# Altium PCB smart-ring-main.PcbDoc (part 5 of 6)
Units mm, origin at the board's own origin, x right, y up, seen from the top; angles counter-clockwise.
Board outline 62.7 x 25.3 mm, 6 copper layers (S1 Copper top, S2 Flex copper top, S3 Flex copper inner 1, S4 Flex copper inner 2, S5 Flex copper bottom, S6 Copper bottom), stack 0.511 mm thick; 75 components, 47 nets, 265 pads, 262 vias.
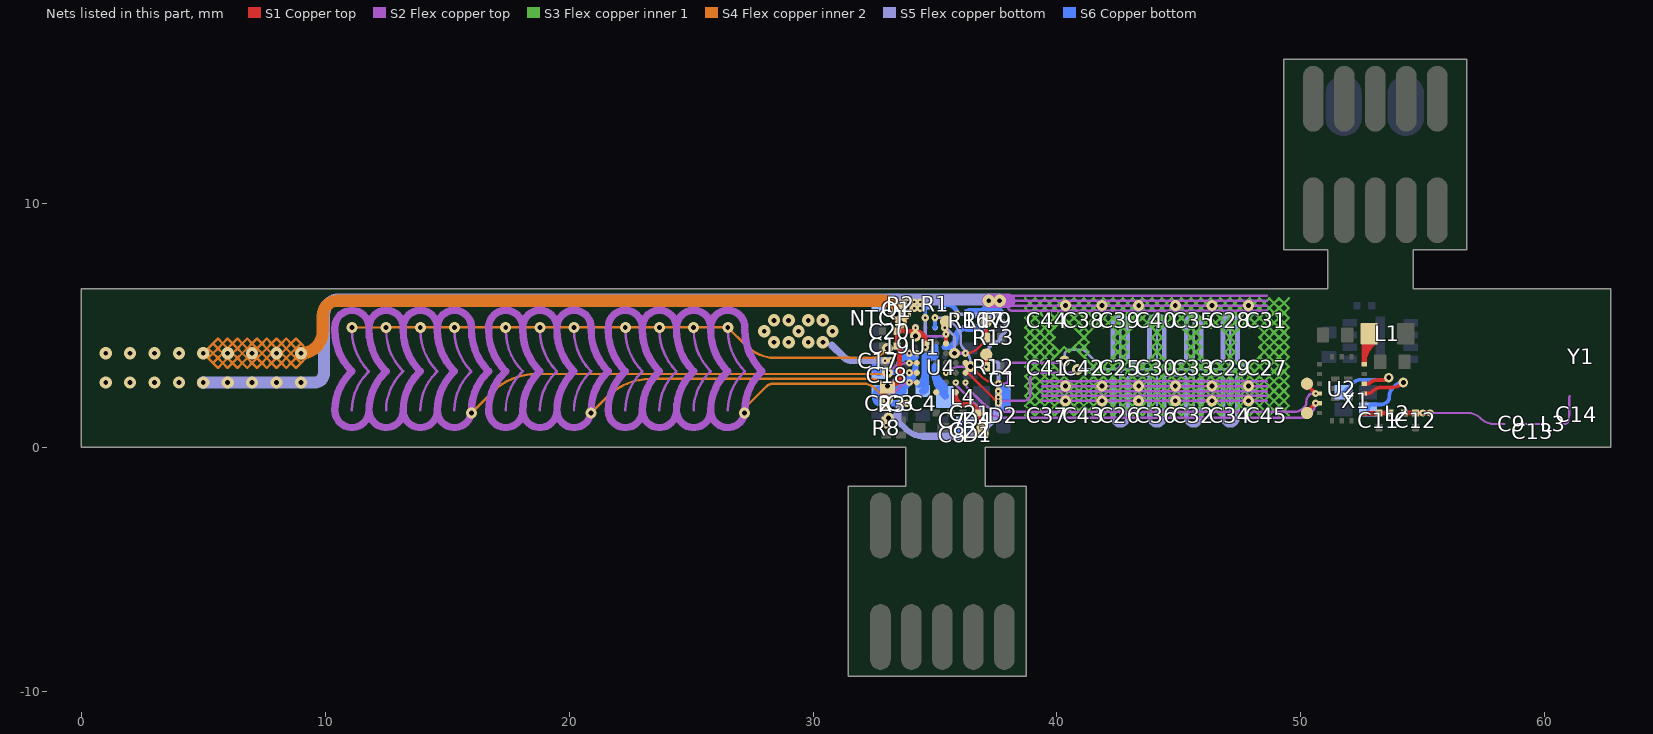
[diagram p9: the nets of this part, all layers, seen from the top]

## Via types
v1: diameter 0.45, hole 0.2, S2 Flex copper top to S5 Flex copper bottom, tented both sides, 61 vias
v2: diameter 0.5/0.5/0.5/0.5 (per signal layer), hole 0.2, S2 Flex copper top to S5 Flex copper bottom, 60 vias
v3: diameter 0.25/0.3 (per signal layer), hole 0.1, S1 Copper top to S2 Flex copper top, tented both sides, 40 vias
v4: diameter 0.4/0.5/0.5/0.5/0.5/0.4 (per signal layer), hole 0.2, S1 Copper top to S6 Copper bottom, tented both sides, 35 vias
v5: diameter 0.3/0.25 (per signal layer), hole 0.1, S5 Flex copper bottom to S6 Copper bottom, tented both sides, 34 vias
v6: diameter 0.5/0.5/0.5/0.5 (per signal layer), hole 0.2, S2 Flex copper top to S5 Flex copper bottom, tented both sides, 12 vias
v7: diameter 0.25, hole 0.1, S1 Copper top to S2 Flex copper top, tented both sides, 10 vias
v8: diameter 0.45/0.45/0.45/0.45 (per signal layer), hole 0.2, S2 Flex copper top to S5 Flex copper bottom, tented both sides, 4 vias
v9: diameter 0.4/0.45/0.45/0.45/0.45/0.4 (per signal layer), hole 0.2, S1 Copper top to S6 Copper bottom, tented both sides, 3 vias
v10: diameter 0.4, hole 0.2, S1 Copper top to S6 Copper bottom, tented both sides, 2 vias
v11: diameter 0.4/0.5/0.5/0.5/0.4/0.4 (per signal layer), hole 0.2, S1 Copper top to S6 Copper bottom, tented both sides, 1 vias

## Nets (pads, with @x,y where several pads share a name; then routed paths per layer and width w, separated by ;. In a path a pad name is that pad's centre, name@x,y a point inside that pad or via, vN(x,y) a via of type N, cw(c..) or ccw(c..) an arc to the next point about the centre after c; other vN are vias at no path point) (continued)
MOTOR-: pad.1@5,3.85 Q1.D | length 60.8
  S3 Flex copper inner 1 w0.3: v1(33.4,5.45) v1(33.8,5.45)
  S4 Flex copper inner 2 w0.1: 7.3,3.55 7.4,3.45 ; 5.4,3.45 5.2,3.65 5.4,3.85 ; 5.4,3.45 5.6,3.25 5.8,3.45 ; 5.4,3.45 5.6,3.65 ; 5.4,3.85 5.2,4.05 5.4,4.25 ; 5.4,3.85 5.6,3.65 ; 5.4,3.85 5.6,4.05 ; 5.4,4.25 5.6,4.05 ; 5.4,4.25 5.6,4.45 5.8,4.25 ; 5.6,3.65 5.8,3.45 ; 5.6,3.65 v2@5.8,3.85 ; 5.6,4.05 v2@5.8,3.85 ; 5.6,4.05 5.8,4.25 ; 5.8,3.45 v2@6,3.65 ; 5.8,3.45 6,3.25 6.2,3.45 ; v2@5.8,3.85 v2@6,3.65 ; v2@5.8,3.85 v2@6,4.05 ; 5.8,4.25 v2@6,4.05 ; 5.8,4.25 6,4.45 ; v2@6,3.65 v2@6.2,3.85 ; v2@6,3.65 6.2,3.45 ; v2@6,4.05 v2@6.2,3.85 ; v2@6,4.05 6.2,4.25 ; 6,4.45 6.2,4.25 ; 6,4.45 6.2,4.25 ; 6.2,3.45 6.4,3.25 6.6,3.45 ; 6.2,3.45 6.4,3.65 ; v2@6.2,3.85 6.4,4.05 ; v2@6.2,3.85 6.4,3.65 ; 6.2,4.25 6.4,4.05 ; 6.2,4.25 6.4,4.45 6.6,4.25 ; 6.4,3.65 6.6,3.45 ; 6.4,3.65 6.6,3.85 ; 6.4,4.05 6.6,3.85 ; 6.4,4.05 6.6,4.25 ; 6.6,3.45 6.8,3.25 7,3.45 ; 6.6,3.45 6.8,3.65 ; 6.6,3.85 6.8,3.65 ; 6.6,3.85 6.8,4.05 ; 6.6,4.25 6.8,4.05 ; 6.6,4.25 6.8,4.45 7,4.25 ; 6.8,3.65 v2(7,3.85) ; 6.8,3.65 7,3.45 ; 6.8,4.05 7,4.25 ; 6.8,4.05 v2(7,3.85) ; v2(7,3.85) 7.2,4.05 ; v2(7,3.85) 7.2,3.65 ; 7,4.25 7.2,4.45 7.4,4.25 ; 7,4.25 7.2,4.05 ; 7,3.45 7.2,3.65 ; 7,3.45 7.2,3.25 7.4,3.45 ; 7.2,3.65 7.4,3.85 7.6,3.65 ; 7.2,3.65 7.4,3.45 ; 7.2,4.05 7.4,3.85 7.6,4.05 ; 7.2,4.05 7.4,4.25 ; 7.4,3.45 7.6,3.25 7.8,3.45 ; 7.4,3.45 7.6,3.65 ; 7.4,4.25 7.6,4.05 ; 7.4,4.25 7.6,4.45 7.8,4.25 ; 7.6,3.65 7.8,3.45 ; 7.6,3.65 7.8,3.85 v2@8,3.65 ; 7.6,4.05 7.8,4.25 ; 7.6,4.05 7.8,3.85 v2@8,4.05 ; 7.8,3.45 8,3.25 8.2,3.45 ; 7.8,3.45 v2@8,3.65 ; 7.8,4.25 8,4.45 8.2,4.25 ; 7.8,4.25 v2@8,4.05 ; v2@8,3.65 8.2,3.45 ; v2@8,3.65 v2@8.2,3.85 ; v2@8,4.05 v2@8.2,3.85 ; v2@8,4.05 8.2,4.25 ; 8.2,3.45 8.4,3.65 ; 8.2,3.45 8.4,3.25 8.6,3.45 ; v2@8.2,3.85 8.4,4.05 ; v2@8.2,3.85 8.4,3.65 ; 8.2,4.25 8.4,4.05 ; 8.2,4.25 8.4,4.45 8.6,4.25 ; 8.4,3.65 8.6,3.85 ; 8.4,3.65 8.6,3.45 ; 8.4,4.05 8.6,3.85 ; 8.4,4.05 8.6,4.25 ; 8.6,3.45 8.8,3.25 9,3.45 ; 8.6,3.45 8.8,3.65 ; 8.6,3.85 8.8,3.65 ; 8.6,3.85 8.8,4.05 ; 8.6,4.25 8.8,4.05 ; 8.6,4.25 8.8,4.45 9,4.25 ; 8.8,3.65 9,3.45 ; 8.8,3.65 v2(9,3.85) ; 8.8,4.05 9,4.25 ; 8.8,4.05 v2(9,3.85) ; 9,3.45 9.2,3.65 v2(9,3.85) ; v2(9,3.85) 9.2,4.05 9,4.25
  S4 Flex copper inner 2 w0.5: v2(9,3.85) ccw(c9,4.749) 9.899,4.749 9.899,5.4 cw(c10.499,5.4) 10.499,6 32.951,6 cw(c32.951,5.351) 33.6,5.351 v1(33.6,5.1)
  S5 Flex copper bottom w0.3: v1(33.4,5.45) v1(33.8,5.45)
  other v2: 1,3.85 2,3.85 3,3.85 4,3.85 5,3.85 6,3.85 8,3.85
  other v3: 33.9,5.7 34.15,5.7 34.4,5.7 33.65,5.95 33.9,5.95 34.15,5.95 34.4,5.95
NetC7_1: C7.1 C8.1 D1.2 D4.1 | length 2.1
  S6 Copper bottom w0.25: C8.1@36,0.5 C7.1@36,1.1 D4.1@36.45,1.1 D1.2@36.45,0.5 C8.1@36,0.5
NetL1_1: L1.1 U2.6 | length 2.9
  S1 Copper top w0.2: L1.1@52.8,4.65 ccw(c53.313,4.137) 52.588,4.137 52.588,3.715 ; L1.1@52.831,4.304 ccw(c53.42,3.715) 52.588,3.715 ; L1.1@52.949,4.233 52.921,4.205 ccw(c53.726,3.4) U2.6@52.588,3.4 52.588,3.715 ; L1.1@53.036,4.709 cw(c53.073,4.709) L1.1@53.047,4.735
NetNTC1_2: NTC1.2 R1.2 R2.1 U1.C3 | length 4.1
  S5 Flex copper bottom w0.15: v5(34.6,4.1) v5(34.6,5.3)
  S6 Copper bottom w0.15: NTC1.2@32.7,5.8 32.965,6.065 ccw(c32.859,6.171) 32.994,6.107 cw(c33.18,6.02) 33.18,6.225 33.42,6.225 cw(c33.42,6.02) 33.506,6.206 ccw(c33.569,6.342) 33.512,6.203 cw(c33.4,5.923) 33.613,6.137 R2.1@33.9,5.85 R1.2@34.7,5.85 ccw(c34.941,5.609) 34.6,5.609 v5(34.6,5.3)
PMID: C4.1 U1.A3 U1.B3 U1.B4 U1.C4 | length 4.2
  S6 Copper bottom w0.25: 34.35,2.55 ccw(c33.747,3.154) 34.6,3.154 ; U1.A3@34.6,3.3 cw(c35,3.3) U1.B4@35,3.7
  S6 Copper bottom w0.3: C4.1@34.5,2.3 ccw(c34.5,2.4) 34.6,2.4 34.6,3.154 U1.A3@34.6,3.3 U1.B3@34.6,3.7 ; U1.B3@34.6,3.7 ccw(c34.6,4.1) U1.C4@35,4.1 U1.B4@35,3.7 U1.B3@34.6,3.7
PWR_CD: pad.1@35.45,5.15 U1.E2 U4.D6 | length 2.7
  S1 Copper top w0.15: U4.D6@35.45,4.25 v3(35.45,4.629) pad.1@35.45,5.15
  S2 Flex copper top w0.1: v1(34.2,4.55) 35.259,4.55 ccw(c35.259,4.821) v3(35.45,4.629)
  S2 Flex copper top w0.15: v1(34.2,4.55) ccw(c34.25,4.55) v1@34.25,4.5 ; v1@34.202,4.555 v1@34.305,4.555
  S5 Flex copper bottom w0.3: v1(34.2,4.55) v5(34.2,4.9)
PWR_SCL: pad.1@37.1,5.15 R13.1 U1.E5 U4.F5 | length 3.5
  S1 Copper top w0.1: v3(36.25,3.85) 36.267,3.85 ccw(c36.267,4.533) 36.75,4.05 37.029,4.329 ccw(c36.859,4.5) R13.1@37.1,4.5
  S1 Copper top w0.15: R13.1@37.1,4.5 pad.1@37.1,5.15
  S2 Flex copper top w0.15: v1(35.8,3.85) v3(36.25,3.85)
  S5 Flex copper bottom w0.11: v5(35.4,4.9) cw(c35.4,4.78) 35.485,4.865 35.7,4.65 cw(c35.459,4.409) 35.8,4.409 v1(35.8,3.85)
PWR_SDA: pad.1@37.1,3.8 R12.1 U1.E4 U4.D3 | length 5.4
  S1 Copper top w0.15: v3(37.1,3.3) pad.1@37.1,3.8
  S2 Flex copper top w0.1: v7(35.45,3.05) cw(c36.054,2.446) 36.054,3.3 v3(37.1,3.3)
  S5 Flex copper bottom w0.11: v5(35,5.3) 35.408,5.3 cw(c35.408,5.078) 35.565,5.235 35.914,4.886 cw(c35.577,4.549) 36.054,4.549 36.054,4.312 ccw(c36.453,4.312) 36.171,4.029 36.25,3.95 cw(c35.767,3.467) 36.45,3.467 v1(36.45,3.3)
  S6 Copper bottom w0.15: U1.E4@35,4.9 v5(35,5.3)
RF1: C11.2 L2.1 U2.1 | length 1.1
  S1 Copper top w0.211: U2.1@52.588,1.38 C11.2@53.2,1.38 ; C11.2@53.2,1.4 L2.1@53.65,1.4
RF2: C9.2 C12.2 L2.2 | length 4.5
  S1 Copper top w0.211: L2.2@54.25,1.4 C12.2@54.7,1.4 v3(55.3,1.4)
  S2 Flex copper top w0.086: v3(55,1.4) v3(55.3,1.4) 56.867,1.4 cw(c56.867,0.717) 57.35,1.2 57.379,1.171 ccw(c57.912,1.704) 57.912,0.95 C9.2@58.35,0.95
RF3: C9.1 C13.2 L3.1 | length 1.1
  S2 Flex copper top w0.086: C9.1@58.95,0.95 C13.2@59.5,0.95 L3.1@60.05,0.95
RF4: C14.2 L3.2 Y1.1 | length 1.5
  S2 Flex copper top w0.086: L3.2@60.65,0.95 60.796,0.95 ccw(c60.796,1.145) 60.99,1.145 60.99,1.35 C14.2@61,1.35 ; C14.2@61,1.3 C14.2@61,1.35 ; Y1.1@61.025,2.1 ccw(c61.085,2.04) 61,2.04 C14.2@61,1.35
SW: L4.1 U1.A4 | length 2.6
  S6 Copper bottom w0.2: U1.A4@35,3.3 ccw(c35.845,3.3) 35.248,2.703 35.35,2.6 cw(c35.169,2.419) 35.425,2.419 L4.1@35.425,2.1
  S6 Copper bottom w0.3: U1.A4@35,3.3 35,3.126 ccw(c36.451,3.126) L4.1@35.425,2.1
TOUCH_FINGER_RX: U4.F4 | length 47.7
  S1 Copper top w0.1: U4.F4@36.25,3.45 cw(c36.25,3.209) 36.421,3.379 36.917,2.883 ccw(c37.6,3.566) v3(37.6,2.6)
  S2 Flex copper top w0.1: v3(37.6,2.6) 37.85,2.6 ccw(c37.85,2.75) 38,2.75 38,3.3 cw(c38.158,3.3) 38.158,3.458 40.157,3.458 ccw(c40.157,3.679) v1(40.314,3.523)
  S5 Flex copper bottom w0.1: v1(40.314,3.523) 40.314,3.771 40.315,3.771 cw(c40.545,3.771) 40.545,4 41,4 cw(c41,3.779) 41.156,3.936 41.556,3.536 ccw(c41.622,3.602) 41.622,3.508 42.079,3.508 ccw(c42.079,3.821) 42.3,3.6 ; 42.9,2.8 cw(c43.05,2.8) 43.05,2.95 43.65,2.95 cw(c43.65,2.8) 43.8,2.8 ; 42.9,3.6 ccw(c43.05,3.6) 43.05,3.45 ; 43.05,3.45 43.65,3.45 ccw(c43.65,3.6) 43.8,3.6 ; 44.4,2.8 cw(c44.55,2.8) 44.55,2.95 45.15,2.95 cw(c45.15,2.8) 45.3,2.8 ; 44.4,3.6 ccw(c44.55,3.6) 44.55,3.45 ; 44.55,3.45 45.15,3.45 ccw(c45.15,3.6) 45.3,3.6 ; 45.9,2.8 cw(c46.05,2.8) 46.05,2.95 46.65,2.95 cw(c46.65,2.8) 46.8,2.8 ; 45.9,3.6 ccw(c46.05,3.6) 46.05,3.45 ; 46.05,3.45 46.65,3.45 ccw(c46.65,3.6) 46.8,3.6
  S5 Flex copper bottom w0.2: 42.3,2.8 42.3,1.2 ccw(c42.6,1.2) 42.6,0.9 ccw(c42.6,1.2) 42.9,1.2 42.9,2.8 ; 42.3,3.6 42.3,5.1 cw(c42.6,5.1) 42.6,5.4 cw(c42.6,5.1) 42.9,5.1 42.9,3.6 ; 43.8,2.8 43.8,1.2 ccw(c44.1,1.2) 44.1,0.9 ccw(c44.1,1.2) 44.4,1.2 44.4,2.8 ; 43.8,3.6 43.8,5.1 cw(c44.1,5.1) 44.1,5.4 cw(c44.1,5.1) 44.4,5.1 44.4,3.6 ; 45.3,2.8 45.3,1.2 ccw(c45.6,1.2) 45.6,0.9 ccw(c45.6,1.2) 45.9,1.2 45.9,2.8 ; 45.3,3.6 45.3,5.1 cw(c45.6,5.1) 45.6,5.4 cw(c45.6,5.1) 45.9,5.1 45.9,3.6 ; 46.8,2.8 46.8,1.2 ccw(c47.1,1.2) 47.1,0.9 ccw(c47.1,1.2) 47.4,1.2 47.4,2.8 cw(c47.6,2.8) 47.6,3 ccw(c47.6,3.2) 47.8,3.2 ccw(c47.6,3.2) 47.6,3.4 cw(c47.6,3.6) 47.4,3.6 47.4,5.1 ccw(c47.1,5.1) 47.1,5.4 ccw(c47.1,5.1) 46.8,5.1 46.8,3.6
TOUCH_FINGER_TX: U4.F3 | length 29.9
  S1 Copper top w0.1: U4.F3@36.25,3.05 cw(c36.25,2.809) 36.421,2.979 37.429,1.971 ccw(c37.6,2.141) v3(37.6,1.9)
  S2 Flex copper top w0.1: v3(37.6,1.9) 38.65,1.9 ccw(c38.65,2.15) 38.9,2.15 38.9,2.8 cw(c39.157,2.8) 39.157,3.057 40.711,3.057 ccw(c40.711,3.188) v1(40.842,3.188)
  S5 Flex copper bottom w0.1: v1(40.842,3.188) cw(c40.871,3.16) 40.871,3.2 42.4,3.2 ; 42.6,1.2 42.6,3 ; 42.6,5.1 42.6,3.4 ; 44.1,1.2 44.1,3 ; 44.1,5.1 44.1,3.4 ; 45.4,3.2 44.3,3.2 ; 45.6,1.2 45.6,3 ; 45.6,5.1 45.6,3.4 ; 46.9,3.2 45.8,3.2 ; 47.1,1.2 47.1,3 ; 47.1,5.1 47.1,3.4 ; 42.401,3.2 cw(c42.4,3) 42.6,3 ; 42.401,3.2 ccw(c42.4,3.4) 42.6,3.399 ; 42.6,3 cw(c42.8,3) 42.8,3.2 ; 42.6,3.399 ccw(c42.8,3.4) 42.8,3.2 ; 42.8,3.2 43.9,3.2 ; 43.901,3.2 cw(c43.9,3) 44.1,3 ; 43.901,3.2 ccw(c43.9,3.4) 44.1,3.399 ; 44.1,3 cw(c44.3,3) 44.3,3.2 ; 44.1,3.399 ccw(c44.3,3.4) 44.3,3.2 ; 45.6,3 cw(c45.8,3) 45.8,3.2 ; 45.6,3 ccw(c45.4,3) 45.401,3.2 ccw(c45.4,3.4) 45.6,3.399 ; 45.6,3.399 ccw(c45.8,3.4) 45.8,3.2 ; 47.1,3 ccw(c46.9,3) 46.901,3.2 ccw(c46.9,3.4) 47.1,3.399 ; 47.1,3 cw(c47.3,3) 47.3,3.2 cw(c47.3,3.4) 47.1,3.4
TOUCH_SLIDER_RX0: U4.A4 | length 54.7
  S1 Copper top w0.1: v3(33.95,3.45) U4.A4@34.25,3.45
  S2 Flex copper top w0.1: v1(33.05,3.05) 33.096,3.096 cw(c33.95,2.243) v3(33.95,3.45)
  S2 Flex copper top w0.3: 10.394,1.507 ccw(c11.095,1.507) 11.795,1.507 ccw(c12.495,1.506) 13.196,1.506 ccw(c13.896,1.506) 14.597,1.506 ccw(c15.297,1.506) v1@15.997,1.506 ; 10.394,1.507 cw(c12.565,1.507) 11.03,3.042 11.095,3.107 cw(c12.786,4.798) 10.394,4.798 10.394,4.906 cw(c11.095,4.907) 11.795,4.907 ; 11.795,1.507 cw(c13.966,1.507) 12.431,3.042 ; 11.795,4.798 ccw(c14.186,4.798) 12.495,3.107 ; 11.795,4.907 cw(c12.495,4.907) 13.196,4.907 cw(c13.896,4.907) 14.597,4.907 cw(c15.297,4.908) 15.997,4.908 ; 13.196,1.508 cw(c15.367,1.508) 13.832,3.043 ; 13.196,4.798 ccw(c15.587,4.798) 13.896,3.107 ; 14.597,1.508 cw(c16.768,1.508) 15.232,3.043 ; 14.597,4.798 ccw(c16.988,4.798) 15.297,3.108 ; v1@15.997,1.508 cw(c18.168,1.508) 16.633,3.043 ; 15.997,4.799 ccw(c18.389,4.799) 16.698,3.108
  S4 Flex copper inner 2 w0.1: v1(15.995,1.4) 16.851,2.256 cw(c18.647,0.46) 18.647,3 32.929,3 ccw(c32.929,3.171) v1(33.05,3.05)
TOUCH_SLIDER_RX1: U4.A3 | length 41.7
  S1 Copper top w0.1: v3(33.95,3.05) U4.A3@34.25,3.05
  S2 Flex copper top w0.1: v1@33.135,2.535 cw(c33.05,2.621) v1(33.05,2.5) 33.353,2.803 cw(c33.95,2.205) v3(33.95,3.05)
  S2 Flex copper top w0.3: 16.698,1.505 ccw(c17.398,1.505) 18.098,1.505 ccw(c18.799,1.505) 19.499,1.505 ccw(c20.2,1.504) v1@20.9,1.504 ; 16.698,1.509 cw(c18.869,1.509) 17.334,3.044 ; 16.698,4.799 ccw(c19.089,4.799) 17.398,3.108 ; 16.698,4.908 cw(c17.398,4.908) 18.098,4.908 cw(c18.799,4.909) 19.499,4.909 cw(c20.2,4.909) 20.9,4.909 ; 18.098,1.509 cw(c20.27,1.509) 18.734,3.044 ; 18.098,4.799 ccw(c20.49,4.799) 18.799,3.109 ; 19.499,1.509 cw(c21.67,1.509) 20.135,3.044 ; 19.499,4.8 ccw(c21.89,4.8) 20.2,3.109 ; v1@20.9,1.509 cw(c23.071,1.509) 21.536,3.045 ; 20.9,4.8 ccw(c23.291,4.8) 21.6,3.109
  S4 Flex copper inner 2 w0.1: v1(20.895,1.4) 21.551,2.056 cw(c23.347,0.26) 23.347,2.8 32.326,2.8 cw(c32.326,1.776) v1(33.05,2.5)
TOUCH_SLIDER_RX2: U4.A2 | length 43.8
  S1 Copper top w0.1: v3(33.95,2.65) U4.A2@34.25,2.65
  S2 Flex copper top w0.1: v1@33.135,1.985 cw(c33.05,2.071) v1(33.05,1.95) 33.609,2.509 cw(c33.95,2.167) v3(33.95,2.65)
  S2 Flex copper top w0.3: 21.601,1.504 ccw(c22.301,1.504) 23.002,1.504 ccw(c23.702,1.504) 24.402,1.504 ccw(c25.103,1.503) 25.803,1.503 ; 21.601,1.51 cw(c23.772,1.51) 22.237,3.045 ; 21.601,4.8 ccw(c23.992,4.8) 22.301,3.109 ; 21.601,4.909 cw(c22.301,4.909) 23.002,4.909 cw(c23.702,4.91) 24.402,4.91 cw(c25.103,4.91) 25.803,4.91 cw(c26.503,4.91) 27.203,4.91 ; 23.002,1.51 cw(c25.173,1.51) 23.637,3.045 ; 23.002,4.801 ccw(c25.393,4.801) 23.702,3.11 ; 24.402,1.51 cw(c26.573,1.51) 25.038,3.046 ; 24.402,4.801 ccw(c26.794,4.801) 25.103,3.11 ; 25.803,1.503 ccw(c26.503,1.503) 25.803,1.487 ccw(c26.503,1.503) 27.084,1.111 ccw(c26.503,1.503) v1@27.203,1.503 ; 25.803,1.511 cw(c27.974,1.511) 26.439,3.046 ; 25.803,4.801 ccw(c28.194,4.801) 26.503,3.11 ; v1@27.203,1.511 cw(c29.375,1.511) 27.839,3.046 ; 27.203,4.802 ccw(c29.595,4.802) 27.904,3.111
  S4 Flex copper inner 2 w0.1: v1(27.19,1.4) cw(c27.648,1.4) 27.324,1.724 28.1,2.5 cw(c28.341,2.259) 28.341,2.6 32.067,2.6 cw(c32.067,1.917) 32.55,2.4 32.965,1.985 ccw(c33.05,2.071) v1(33.05,1.95)
TOUCH_SLIDER_TX0: U4.A5 | length 65.4
  S1 Copper top w0.1: v3(33.95,3.85) U4.A5@34.25,3.85
  S2 Flex copper top w0.1: 11.095,1.507 cw(c13.267,1.507) 11.731,3.043 11.795,3.107 cw(c13.485,4.797) 11.095,4.797 v1(11.095,4.907) ; 12.495,1.507 cw(c14.668,1.507) 13.132,3.043 13.195,3.107 cw(c14.885,4.797) 12.495,4.797 v1(12.495,4.907) ; 13.896,1.507 cw(c16.069,1.507) 14.533,3.044 14.596,3.107 ; v1(13.896,4.907) 13.896,4.797 ccw(c16.286,4.797) 14.596,3.107 ; 15.297,1.508 cw(c17.47,1.508) 15.933,3.044 15.997,3.107 ; v1(15.297,4.908) 15.297,4.798 ccw(c17.687,4.798) 15.997,3.108 ; 17.398,1.508 cw(c19.571,1.508) 18.034,3.045 18.098,3.107 ; v8(17.398,4.908) 17.398,4.798 ccw(c19.788,4.798) 18.098,3.108 ; 18.799,1.509 cw(c20.972,1.509) 19.435,3.045 ; v8(18.799,4.909) 18.799,4.798 ccw(c21.189,4.798) 19.499,3.109 ; 19.435,3.044 19.499,3.107 ; 20.2,1.509 cw(c22.372,1.509) 20.836,3.045 ; v8(20.2,4.909) 20.2,4.799 ccw(c22.59,4.799) 20.9,3.109 ; 20.836,3.044 20.9,3.107 ; 22.301,1.509 cw(c24.474,1.509) 22.938,3.046 ; v8(22.301,4.909) 22.301,4.799 ccw(c24.691,4.799) 23.001,3.109 ; 22.938,3.044 23.001,3.107 ; 23.702,1.51 cw(c25.875,1.51) 24.338,3.046 ; v1(23.702,4.91) 23.702,4.8 ccw(c26.092,4.8) 24.402,3.11 ; 24.338,3.044 24.402,3.107 ; 25.103,1.51 cw(c27.275,1.51) 25.739,3.046 ; v1(25.103,4.91) 25.103,4.8 ccw(c27.493,4.8) 25.803,3.11 ; 25.739,3.044 25.803,3.107 ; 26.503,1.51 cw(c28.676,1.51) 27.139,3.047 ; v1(26.503,4.91) 26.503,4.8 ccw(c28.893,4.8) 27.203,3.11 ; 27.139,3.044 27.203,3.107 ; v1(33.05,4.05) 33.467,4.05 cw(c33.467,3.367) v3(33.95,3.85)
  S4 Flex copper inner 2 w0.1: v1(11.095,4.907) v1(12.495,4.907) ; v1(12.495,4.907) v1(13.896,4.907) v1(15.297,4.908) ; v1(15.297,4.908) v8(17.398,4.908) ; v8@17.398,4.909 v8(18.799,4.909) 20.199,4.909 v8(22.301,4.909) ; v8(22.301,4.909) v1(23.702,4.91) v1(25.103,4.91) ; v1(25.103,4.91) v1(26.503,4.91) 27.244,4.17 ccw(c28.481,5.407) 28.481,3.657 32.376,3.657 ccw(c32.376,4.336) 32.856,3.856 v1(33.05,4.05)
UART_RX: pad.1@50.25,1.4 U2.14 U4.E2 | length 16.3
  S1 Copper top w0.15: pad.1@50.25,1.4 cw(c50.371,1.4) pad.1@50.285,1.485 ; pad.1@50.285,1.485 v3(50.6,1.8)
  S2 Flex copper top w0.1: v7(35.85,2.65) ccw(c36.091,2.65) 35.921,2.479 36.634,1.766 ccw(c38,3.131) 38,1.2 49.988,1.2 ccw(c49.988,1.712) 50.35,1.35 50.459,1.459 ccw(c50.117,1.8) v3(50.6,1.8) ccw(c50.6,1.681) v3@50.516,1.765
UART_TX: pad.1@50.25,2.6 U2.13 U4.F2 | length 15.8
  S1 Copper top w0.15: pad.1@50.25,2.6 ccw(c50.371,2.6) 50.285,2.515 v3(50.6,2.2)
  S2 Flex copper top w0.1: v7(36.25,2.65) ccw(c36.612,2.65) 36.356,2.394 36.9,1.85 ccw(c37.866,2.816) 37.866,1.45 49.738,1.45 ccw(c49.738,1.962) 50.1,1.6 50.136,1.636 ccw(c49.919,1.852) 50.226,1.852 cw(c50.644,1.852) 50.348,2.148 50.35,2.15 cw(c50.471,2.029) 50.471,2.2 v3(50.6,2.2)
VBAT: C17.2 pad.1@29.5,4.75 U1.B1 U1.B2 | length 5.8
  S5 Flex copper bottom w0.3: pad.1@30.763,4.184 31.253,3.694 ccw(c31.6,4.04) 31.6,3.55 v5(32.95,3.55) v5(33.2,3.55)
  S6 Copper bottom w0.2: C17.2@32.7,3.05 33.225,3.05 ccw(c33.225,3.3) 33.475,3.3 cw(c33.8,3.3) 33.679,3.602 ; 33.605,3.56 cw(c33.8,3.3) 33.679,3.602 ; U1.B1@33.8,3.7 33.746,3.646 cw(c33.605,3.787) 33.679,3.602
  S6 Copper bottom w0.25: C17.2@32.7,3.05 cw(c32.7,3.22) 32.53,3.22 32.53,3.362 cw(c32.717,3.362) 32.717,3.55 v5(32.95,3.55) v5(33.2,3.55)
  S6 Copper bottom w0.3: U1.B1@33.8,3.7 U1.B2@34.2,3.7
  other v2: 28.4,4.3 29,4.3 29.8,4.3 30.4,4.3 28,4.75 29.4,4.75 30.8,4.75 28.4,5.2 29,5.2 29.8,5.2 30.4,5.2
VDDANA: C18.1 C19.1 C20.1 R3.1 U4.B6 | length 4.8
  S1 Copper top w0.2: C18.1@32.9,2.3 cw(c33.05,2.3) C18.1@33.05,2.45 ccw(c33.291,2.209) 32.95,2.209 R3.1@32.95,1.75 ; C18.1@33.299,2.586 ccw(c33.299,2.836) 33.55,2.836 33.55,3.909 ccw(c33.209,3.909) C19.1@33.45,4.15 C20.1@33.45,4.75 34.15,4.75 cw(c34.15,4.25) U4.B6@34.65,4.25
VDDCORE: C21.1 C22.1 U4.E1 | length 2.1
  S1 Copper top w0.2: U4.E1@35.85,2.25 35.85,2.1 ccw(c36.212,2.1) 36.079,1.764 ccw(c36.152,1.95) 36.152,1.75 36.385,1.75 cw(c36.385,1.432) C21.1@36.703,1.432
  S1 Copper top w0.3: C21.1@36.75,1.4 cw(c36.267,0.917) 36.95,0.917 C22.1@36.95,0.7
VDDOUT: U4.C1
VHAP: C25.1 C26.2 C27.1 C28.2 C29.2 C30.2 C31.1 C32.2 C33.1 C34.2 C35.1 C36.2 C37.1 C38.2 C39.1 C40.2 C41.1 C42.2 C43.1 C44.2 C45.2 pad.1@5,2.65 R9.2 R16.1 R17.1 | length 440.6
  S1 Copper top w0.3: v4(37.2,6) v4(37.65,6)
  S2 Flex copper top w0.1: 37.998,5.737 ccw(c38.135,5.737) 38.135,5.6 C31.1@48.6,5.6 ; 38,5.8 C31.1@48.6,5.8 ; 38,6 C31.1@48.6,6 ; 38,6.2 C31.1@48.6,6.2 ; C37.1@39.4,1.9 C45.2@48.6,1.9 ; C37.1@39.4,2.1 C45.2@48.6,2.1 ; C37.1@39.4,2.3 C45.2@48.6,2.3 ; C41.1@39.4,2.5 C42.2@41.1,2.5 C30.2@44.1,2.5 C29.2@47.1,2.5 C27.1@48.6,2.5 ; C41.1@39.4,2.7 C27.1@48.6,2.7
  S2 Flex copper top w0.6: v4(37.2,6) v4(37.65,6) 38,6